# Altium PCB Master_v2.0打板.PcbDoc (part 2 of 2)
Units mil, origin at the board's own origin, x right, y up, seen from the top; angles counter-clockwise.
Board outline 3041.43 x 3041.44 mil, 2 copper layers (Top Layer, Bottom Layer); 101 components, 86 nets, 413 pads, 209 vias.
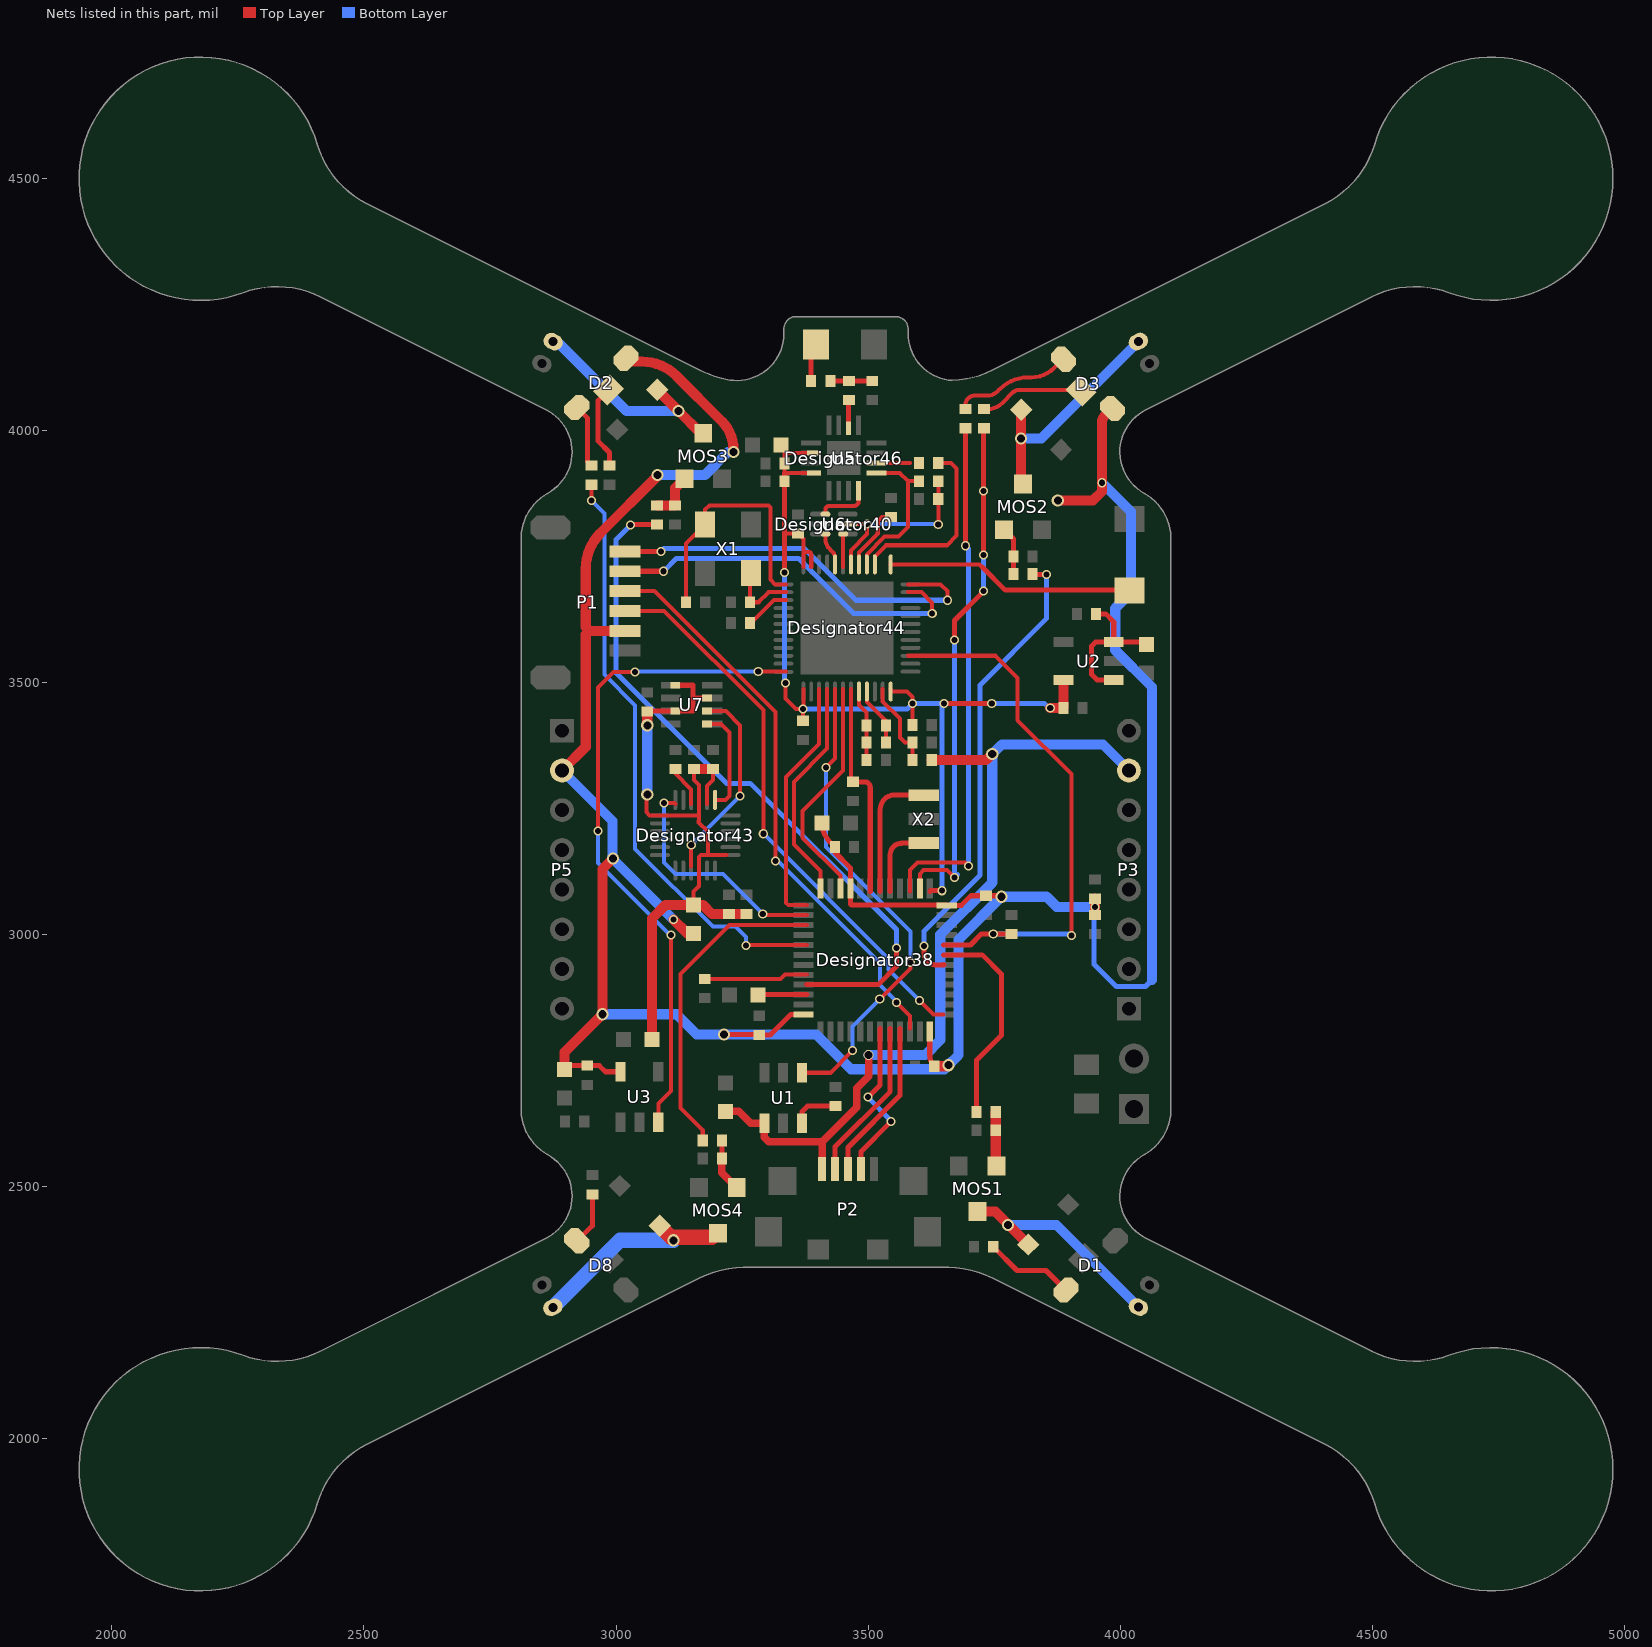
[diagram p2: the nets of this part, all layers, seen from the top]

## Via types
v1: diameter 18, hole 12, Top Layer to Bottom Layer, 152 vias
v2: diameter 24, hole 16, Top Layer to Bottom Layer, 56 vias
v3: diameter 20, hole 16, Top Layer to Bottom Layer, 1 vias

## Nets (pads, with @x,y where several pads share a name; then routed paths per layer and width w, separated by ;. In a path a pad name is that pad's centre, name@x,y a point inside that pad or via, vN(x,y) a via of type N, cw(c..) or ccw(c..) an arc to the next point about the centre after c; other vN are vias at no path point) (continued)
LED_G_R: Designator38.2 R19.2 | length 1041.9
  Top Layer w8: Designator38.2@3602.43,3091.65 3602.43,3120.43 3610,3128 3656,3128 v1(3671,3113) ; Designator38.2@3602.58,3085.83 Designator38.2@3602.58,3091.65 ; v1(3729,3681) v1@3729,3685 ; R19.2@3729,4003 R19.2@3730,4004
  Top Layer w10: v1(3671,3584) 3671,3623 v1(3729,3681) ; v1(3729,3753) v1(3729,3880) R19.2@3729,4003
  Bottom Layer w10: v1(3671,3584) v1(3671,3113) v1@3677,3119 ; v1@3728,3752 v1(3729,3753) v1(3729,3681)
LED_R_L: R16.2 | length 1188.3
  Top Layer w8: v1(2951,3861) R16.2@2951,3892 ; v1(3258,2978) 3259.53,2979.53 3378.17,2979.53
  Bottom Layer w8: v1(2951,3861) 2977,3835 2977,3515.5 3038,3454.5 3038,3170 3192,3016 3237,3016 3258,2995 v1(3258,2978)
LED_R_R: R18.2 | length 1040.6
  Top Layer w8: 3582.9,3085.83 3582.9,3127.9 3598,3143 3692,3143 v1(3699,3136)
  Top Layer w10: v1(3693,3771) R18.2@3693,4004
  Bottom Layer w10: v1@3691,3769 v1(3693,3771) 3699,3765 v1(3699,3136)
MOTOR1: R21.2 | length 424.1
  Top Layer w10: 3649.83,2959.84 3726.16,2959.84 3764,2922 3764,2800 3715,2751 R21.2@3715,2648
MOTOR2: R23.2 | length 932.5
  Top Layer w10: v1(3611,2977) 3611,2962 ccw(c3633,2962) 3633,2940 3649.67,2940 3649.83,2940.16 ; R23.2@3826,3715 3827,3714 v1(3854,3714)
  Bottom Layer w10: v1(3611,2977) 3611,3007 3722,3118 3722,3495 3854,3627 v1(3854,3714)
MOTOR3: R25.2 | length 1390.1
  Top Layer w10: v1(3029,3812) 3030,3813 R25.2@3081,3813 ; 3378.17,2900.79 3519.79,2900.79 3556,2937 v1(3556,2973)
  Bottom Layer w10: v1(3029,3812) 3000,3783 3000,3519 3219,3300 3266,3300 3556,3010 v1(3556,2973)
MOTOR4: R27.2 | length 638.5
  Top Layer w8: R27.2@3172,2592 3172,2612 3128,2656 3128,2922 3224.9,3018.9 3378.17,3018.9
MPU_INT:  | length 467.9
  Top Layer w8: v1(3095,3261) 3115.64,3261 3117.63,3259.01 ; v1(3291,3041) 3293.42,3038.58 3378.17,3038.58
  Bottom Layer w8: v1(3095,3261) 3095,3143 3118,3120 3212,3120 v1(3291,3041)
NetC10_1: C10.1 U5.10 | length 56.7
  Top Layer w10: U5.10@3461.31,4004 3461.31,4058.31 C10.1@3463,4060
NetC10_2: C10.2 L2.2 L3.1 | length 83
  Top Layer w10: L2.2@3425,4098 C10.2@3462,4098 L3.1@3508,4098
NetC11_1: C11.1 X1.1 | length 511.5
  Top Layer w8: C11.1@3139,3659 3139,3775.5 X1.1@3176.5,3813 3176.5,3842.5 3185,3851 3302,3851 3306,3847 3306,3704 3315.39,3694.61 3336.94,3694.61
NetC12_1: C12.1 X1.3 | length 138.1
  Top Layer w8: X1.3@3267.5,3717 3266,3715.5 C12.1@3266,3659 3283,3659 3302.33,3678.33 3302.33,3678.87 3336.94,3678.87
NetC16_1: C16.1 Designator40.5 Designator44.30 R8.2 U6.5 | length 370.6
  Top Layer w8: U6.5@3450.72,3814 Designator40.5@3459.56,3814 3494,3814 3498,3810 3498,3794 3465.87,3761.87 Designator44.30@3465.87,3733.98 Designator44.30@3465.87,3729.06 ; v1(3639,3813) C16.1@3639,3864 R8.2@3639,3899
  Bottom Layer w8: v1(3498,3814) 3638,3814 v1(3639,3813)
NetC17_1: C17.1 Designator44.29 | length 135.7
  Top Layer w8: Designator44.29@3481.62,3729.06 Designator44.29@3481.62,3733.98 3481.62,3757.82 3519,3795.2 3519,3820 3527,3828 C17.1@3545,3828
NetC18_1: C18.1 | length 89.6
  Top Layer w8: C18.1@3266,3618 3268,3618 3313.12,3663.12 3336.94,3663.12
NetC25_2: C25.2 | length 78.3
  Top Layer w8: C25.2@3117,3320 3149.13,3287.87 3149.13,3259.01 ; C25.2@3117,3324 C25.2@3117,3328
NetC27_2: C27.2 | length 97.2
  Top Layer w10: C27.2@3281.5,2879.94 3282.67,2881.1 3378.17,2881.1
NetD1_3: D1.3 R9.1 | length 180.2
  Top Layer w10: R9.1@3748,2381 3795,2334 3852.56,2334 D1.3@3892.28,2294.28
NetD2_1: D2.1 R16.1 | length 127.2
  Top Layer w10: D2.1@2922.28,4045.28 2943,4024.56 2943,3938 R16.1@2951,3930
NetD2_2: D2.2 R17.1 | length 168.1
  Top Layer w10: D2.2@2985.14,4079.86 2964,4058.72 2964,3979 2987,3956 R17.1@2987,3930
NetD3_1: D3.1 R18.1 | length 236.5
  Top Layer w8: R18.1@3693,4042 3693,4051.51 cw(c3708.66,4051.51) 3697.59,4062.59 cw(c3713.07,4047.1) 3713.07,4069 3736.69,4069 ccw(c3736.69,4096.31) 3755.99,4076.99 ; 3756.03,4077.03 cw(c3797.04,4035.96) 3761.74,4082.03 cw(c3817.19,4026.58) 3817.19,4105 3824,4105 ccw(c3824,4168.08) 3868.6,4123.48 D3.1@3887.56,4142.44
NetD3_2: D3.2 R19.1 | length 205.3
  Top Layer w8: R19.1@3730,4042 3737.03,4042 ccw(c3737.03,4082.97) 3766,4054 3786.58,4074.58 cw(c3799,4062.16) 3799,4079.73 3921.99,4079.73 D3.2@3922.14,4079.58
NetD4_1: D4.1 MOS1.3 P6.1 | length 453.7
  Top Layer w20: MOS1.3@3717,2450.79 3752.02,2450.79 D4.1@3817.4,2385.4
  Bottom Layer w20: v2(3777,2424) 3873.22,2424 P6.1@4035.83,2261.39
NetD5_1: D5.1 MOS2.3 P7.2 | length 460.8
  Top Layer w20: D5.1@3803.4,4040.6 v2(3803.4,3984) 3803.4,3896.81 MOS2.3@3807,3893.21
  Bottom Layer w20: v2(3803.4,3984) 3843.9,3984 P7.2@4035.83,4175.92
NetD6_1: D6.1 MOS3.3 P8.1 | length 414.3
  Top Layer w20: D6.1@3081.6,4080.6 v2@3120.6,4041.6 ; v2@3124.1,4038.1 3167.98,3994.21 MOS3.3@3173,3994.21
  Bottom Layer w20: P8.1@2887.34,4171.84 3021.19,4038 v2(3124,4038)
NetD7_1: D7.1 MOS4.3 P9.2 | length 407.2
  Top Layer w30: D7.1@3086.6,2422.4 3109.21,2399.79 MOS4.3@3190,2399.79
  Bottom Layer w30: P9.2@2874.79,2260.88 3007.69,2393.79 v2(3114.21,2393.79)
NetD8_3: D8.3 R20.2 | length 106
  Top Layer w10: D8.3@2922.28,2391.72 2953,2422.44 R20.2@2953,2485
NetL2_1: L2.1 Y1.1 | length 75.9
  Top Layer w10: L2.1@3387,4098 3387,4160.5 Y1.1@3396.5,4170
NetMOS1_1: MOS1.1 R21.1 R22.2 | length 107.4
  Top Layer w20: R21.1@3753,2648 R22.2@3753,2612 3753,2542.61 MOS1.1@3754.4,2541.21
NetMOS2_1: MOS2.1 R23.1 R24.2 | length 95.4
  Top Layer w10: MOS2.1@3769.6,3802.79 3788,3784.39 R24.2@3788,3750 R23.1@3788,3715
NetMOS3_1: MOS3.1 R25.1 R26.2 | length 96.5
  Top Layer w20: R25.1@3081,3851 R26.2@3117,3851 3117,3885.19 MOS3.1@3135.6,3903.79
NetMOS4_1: MOS4.1 R27.1 R28.2 | length 106
  Top Layer w10: R28.2@3210,2556 R27.1@3210,2592
  Top Layer w15: R28.2@3210,2556 3210,2527.61 MOS4.1@3239.4,2498.21
NetR3_2: R3.2 U1.6 | length 93.6
  Top Layer w10: U1.6@3369,2626 3369,2649 3380,2660 R3.2@3435,2660
NetR5_2: Designator44.27 R5.2 | length 373.2
  Top Layer w8: Designator44.27@3513.12,3729.06 Designator44.27@3513.12,3733.98 3513.12,3749.72 3535.4,3772 3656,3772 3675,3791 3675,3924 3664,3935 R5.2@3639,3935
NetR13_1: R13.1 | length 205.7
  Top Layer w8: R13.1@3176,2912 3326.53,2912 3335,2920.47 3378.17,2920.47
NetU4_31: U6.4 | length 64.7
  Top Layer w8: 3450.13,3729.06 U6.4@3450.13,3793.73
NetU4_32: Designator44.32 U6.3 | length 71.4
  Top Layer w8: U6.3@3415.28,3794.32 3415.28,3785.46 ccw(c3448.46,3785.46) 3419.61,3769.08 3429.69,3759 cw(c3418.36,3747.67) 3434.38,3747.67 Designator44.32@3434.38,3733.98 Designator44.32@3434.38,3729.06
NetU5_4: Designator46.4 U5.4 U6.1 | length 110.6
  Top Layer w8: U6.1@3415.28,3833.69 3415.28,3842 cw(c3423.28,3842) 3423.28,3850 3472,3850 ccw(c3472,3859) 3481,3859 U5.4@3481,3885.89
NetU7_3: U7.3 | length 397.3
  Top Layer w8: 3149.13,3134.99 v1(3149.13,3178) ; U7.3@3180.5,3443.2 3217.8,3443.2 3246,3415 v1(3246,3274.87)
  Bottom Layer w8: v1(3149.13,3178) v1(3246,3274.87)
NetU7_4: Designator43.7 U7.4 | length 209.3
  Top Layer w8: U7.4@3180.5,3417.61 3208.39,3417.61 3225,3401 3225,3275 3217.01,3267.01 Designator43.7@3196.37,3267.01
NetU9_5: X2.1 | length 152.4
  Top Layer w10: 3543.53,3085.83 3543.53,3158.53 cw(c3566,3158.53) 3566,3181 cw(c3566.76,3181) 3566.76,3181.76 X2.1@3610,3181.76
NetU9_6: X2.3 | length 265.2
  Top Layer w10: 3523.84,3085.83 3523.84,3247.84 cw(c3553,3247.84) 3553,3277 3609.24,3277 cw(c3609.24,3276.24) X2.3@3610,3276.24
NRF_FLOW_CTRL: Designator38.10 | length 465.4
  Top Layer w8: Designator38.10@3445.1,3085.83 3445.1,3116.9 3370,3192 3370,3245 3450.13,3325.13 3450.13,3486.94
NRF_RX: Designator38.12 | length 450.1
  Top Layer w8: Designator38.12@3405.57,3091.65 3405.57,3126.43 3353,3179 3353,3303 3418.63,3368.63 3418.63,3486.94 ; Designator38.12@3405.73,3085.83 Designator38.12@3405.73,3091.65
NRF_SWCLK: P1.6 | length 785.9
  Top Layer w8: 3579.06,3694.61 3643.61,3694.61 3657,3681.23 v1(3657,3663)
  Top Layer w10: P1.6@3018,3759.85 v1(3088.85,3759.85)
  Bottom Layer w10: v1(3088.85,3759.85) 3095,3766 3372.85,3766 3475.85,3663 v1(3657,3663)
NRF_SWIO: P1.5 | length 742.3
  Top Layer w8: 3579.06,3678.87 3606.13,3678.87 3627,3658 v1(3627,3637)
  Top Layer w10: P1.5@3018,3720.48 v1(3094.48,3720.48)
  Bottom Layer w10: v1(3094.48,3720.48) 3120,3746 3362,3746 3471,3637 v1(3627,3637)
NRF_TX:  | length 493.8
  Top Layer w8: 3378.17,3058.27 3342.02,3058.27 3337.5,3062.78 3337.5,3312.5 3402.88,3377.88 3402.88,3486.94
PA_RX_EN: Designator46.6 R5.1 U5.6 | length 79
  Top Layer w8: U5.6@3504.06,3935.16 3582.84,3935.16 ; R5.1@3600.84,3935.16 R5.1@3601,3935
PA_TX_DIS: Designator44.28 Designator46.5 R8.1 U5.5 | length 323.5
  Top Layer w8: Designator44.28@3497.37,3729.06 3497.37,3753.77 3532.6,3789 3560,3789 3579,3808 3579,3899 ; U5.5@3504.06,3915.47 U5.5@3516.43,3915.47 ; Designator46.5@3516.43,3915.42 3562.58,3915.42 3579,3899 ; R8.1@3601,3899 3579,3899
PM_CHG_STATE: U1.1 | length 960
  Top Layer w8: U1.1@3369,2726 3425,2726 v1(3469,2770) ; v1(3416,3331) 3434.38,3349.38 3434.38,3486.94 ; v1(3523,2872) 3584,2933 v1(3584,2945)
  Bottom Layer w8: v1(3416,3331) 3416,3174 3584,3006 v1(3584,2945) ; v1(3469,2770) 3469,2818 v1(3523,2872)
STM_BOOT0: R12.1 | length 1092.6
  Top Layer w8: 3579.06,3552.88 3752.12,3552.88 3796,3509 3796,3425 3903,3318 v1(3903,2998)
  Top Layer w10: 3649.83,2979.53 3703,2979.53 3724.47,3001 v1(3748,3001) R12.1@3784,3001 R12.1@3782,2999
  Bottom Layer w10: v1(3748,3001) 3900,3001 v1(3903,2998)
STM_NRST: C26.2 | length 431.6
  Top Layer w8: 3465.87,3486.94 3465.87,3309.16 C26.2@3471.03,3304
  Top Layer w10: C26.2@3470.03,3303 3493,3303 cw(c3493,3291.84) 3504.16,3291.84 3504.16,3085.83
STM_SWCLK: P1.3 | length 1119.1
  Top Layer w8: P1.3@3018,3641.74 3095.38,3641.74 3292,3445.12 v1(3292,3200) ; v1(3602,2869) 3629.27,2841.73 3649.83,2841.73
  Bottom Layer w8: v1(3292,3200) 3540,2952 3540,2931 v1(3602,2869)
STM_SWIO: P1.4 | length 1136.3
  Top Layer w8: P1.4@3018,3681.11 3075.81,3681.11 3316,3440.92 v1(3316,3146) ; v1(3556,2865) 3582.9,2838.1 3582.9,2814.17
  Bottom Layer w8: v1@3318.5,3148.5 3523,2944 3523,2900 3556,2867 v1(3556,2865)
SWITCH: Designator44.25 SW1.1 | length 494.9
  Top Layer w8: Designator44.25@3544.61,3733.98 3721.02,3733.98 3725.94,3729.06
  Top Layer w10: 3725.94,3729.06 3772,3683 4017.13,3683 SW1.1@4018,3682.13
USB_CONNECTED: R2.1 R4.2 | length 174.2
  Top Layer w8: 3528.87,3486.94 3528.87,3462.13 3563,3428 3563,3391 3573,3381 R4.2@3588,3381 R2.1@3588,3346
USB_DM: P2.2 | length 324.4
  Top Layer w10: P2.2@3434.41,2535 3434.41,2579.41 3543.53,2688.53 3543.53,2814.17
USB_DP: P2.3 | length 321.9
  Top Layer w10: P2.3@3460,2535 3460,2578 3563.21,2681.21 3563.21,2814.17
USB_ID: P2.4 | length 332.3
  Top Layer w10: P2.4@3485.59,2535 3485.59,2569.59 v1(3545,2629) ; v1(3500,2678) 3523.84,2701.84 3523.84,2814.17
  Bottom Layer w10: v1(3500,2678) 3500,2676.18 3545,2631.18 v1(3545,2629)
VBAT: C9.2 Designator44.8 R6.1 R7.2 | length 147.3
  Top Layer w8: Designator44.8@3481.62,3486.94 3481.62,3455.38 3497,3440 C9.2@3497,3415 R7.2@3497,3381 R6.1@3497,3346
VBAT_SINK: C9.1 Designator44.9 R7.1 | length 121.5
  Top Layer w8: Designator44.9@3497.37,3486.94 3497.37,3461.63 3535,3424 C9.1@3535,3415 R7.1@3535,3381
VCC: C6.2 C7.2 C28.2 C29.2 C30.2 C31.2 C32.2 D2.3 D3.3 Designator38.9 Designator38.24 Designator38.36 Designator38.48 L1.2 P1.2 P5.2 R14.2 R15.2 U3.5 | length 5902.9
  Top Layer w10: C7.2@2898.06,2732.5 2905.6,2740.03 C6.2@2943,2740.03 2966.97,2740.03 2979,2728 U3.5@3009,2728 ; v2(3214,2802) 3283,2802 C31.2@3284,2801 3306,2801 3346.73,2841.73 Designator38.24@3378.17,2841.73 ; C32.2@3408.5,3221.06 ccw(c3460.48,3221.06) 3423.73,3184.31 C28.2@3434.03,3174 ; C28.2@3436.17,3168.83 cw(c3441.35,3174) C28.2@3434.03,3174 ; Designator38.9@3464.63,3091.65 3464.63,3132.37 3434.03,3162.97 C28.2@3434.03,3174 ; Designator38.9@3464.79,3085.83 3464.79,3060.21 3466.73,3058.27 Designator38.48@3655.67,3058.27 ; Designator38.36@3622.11,2808 3622.11,2760.46 ccw(c3652.46,2760.46) C30.2@3631,2739 ; Designator38.36@3622.27,2814.17 Designator38.36@3622.44,2814 ; Designator38.48@3655.67,3058.09 3684.65,3058.09 3703.56,3077 C29.2@3734,3077 3762,3077 v2(3764,3075)
  Top Layer w20: P5.2@2893,3325.44 2940,3372.44 2940,3595 ; C7.2@2898.06,2732.5 2898.06,2767.06 v2(2973,2842) 2973,3130 v2(2994,3151) ; P1.2@3018,3602.37 2947.37,3602.37 2940,3609.74 2940,3725.58 cw(c3040,3725.58) 2969.29,3796.29 v2@3083,3910 ; D2.3@3019.72,4142.72 3026.29,4136.15 3051.78,4136.15 cw(c3051.78,4040.15) 3119.66,4108.03 3209.34,4018.34 ; v1(3113.72,3030) 3141.22,3002.5 L1.2@3153.94,3002.5 ; 3209.38,4018.31 cw(c3152.24,3961.24) 3233,3961.24 v2(3233,3957) ; C30.2@3631,2739 3654.17,2739 ccw(c3654.17,2745.83) v2(3659,2741) ; v2(3876,3861) 3946,3861 3963.72,3878.72 v1(3963.72,3896) 3963.72,4015.28 cw(c3984.08,4015.28) 3969.68,4029.68 D3.3@3985,4045 ; R14.2@3950,3039 v1(3950,3055) R15.2@3950,3071
  Bottom Layer w10: v1(3950,3055) 3948,3053 3948,2941 3992,2897 4050,2897 4063,2910
  Bottom Layer w20: P5.2@2893,3325.44 2993,3225.44 2993,3150.72 v2@2994,3149.72 ; v2(2973,2842) 3120,2842 3160,2802 v2(3214,2802) 3397,2802 3466,2733 3651,2733 v2(3659,2741) 3679,2761 3679,2990 v2(3764,3075) 3854,3075 3874,3055 v1(3950,3055) ; v2(2994,3151) v2@2994,3149.72 ; v2(3082,3911) 3176,3911 3222,3957 v2(3233,3957) ; v1(3113.72,3030) v2@2994,3149.72 ; v1(3963.72,3896) 4021,3838.72 4021,3678 3990,3647 3990,3564 4063,3491 4063,2910
VCCA: C8.2 C22.2 C23.2 C24.2 L1.1 R10.2 R11.2 U7.2 U7.6 U7.8 | length 1404.8
  Top Layer w8: v2@3060,3276 3060,3243 3066.63,3236.37 3162.24,3236.37 3164.87,3239 ; U7.8@3117.5,3494.39 U7.8@3126.61,3494.39 ; L1.1@3154,3059 3154,3085 3164.87,3095.87 3164.87,3153.87 3168.63,3157.63 3182,3157.63 ; C23.2@3155,3328 3155,3306.12 3164.87,3296.25 3164.87,3239 ; 3180.62,3259.01 3180.62,3294.74 3192,3306.12 C24.2@3192,3328 ; 3219.01,3157.63 3182,3157.63 ; 3164.87,3239 3164.87,3225.87 3164,3225 3164,3222 3182,3204 3182,3157.63
  Top Layer w10: C22.2@3062,3442 3063.2,3443.2 U7.6@3117.5,3443.2 3152.2,3443.2 3152.2,3468.8 ; U7.8@3126.61,3494.39 3152.2,3494.39 3152.2,3468.8 ; U7.2@3180.5,3468.8 3152.2,3468.8
  Top Layer w20: v2(3062,3415) C22.2@3062,3442 ; C8.2@3071.5,2791.94 3071.5,3032 3098.5,3059 L1.1@3154,3059 3172,3059 3190,3041 R11.2@3224,3041 R10.2@3259,3041 ; C23.2@3155,3328 C24.2@3192,3328
  Bottom Layer w20: v2(3062,3278) v2(3062,3415)
VCCNRF: C3.2 C13.1 C14.1 C15.1 C19.1 C20.1 C21.1 Designator44.12 U2.5 U5.14 U5.16 | length 1934.7
  Top Layer w8: C13.1@3327,3971 3334.03,3963.97 3334.03,3954 ; 3334.03,3793 3336.03,3795 C19.1@3361,3795 3371.39,3784.61 3371.39,3752 ; 3334.03,3915 3334.03,3915.42 ; v1(3336,3499) 3336,3468 3357,3447 v1(3371,3447) ; C20.1@3371,3424 v1(3371,3447) ; 3371.39,3486.94 3371.39,3447.39 v1(3371,3447) ; 3371.39,3729.06 3371.39,3752 ; 3387.13,3729.06 3387.13,3752.87 ccw(c3381,3752.87) 3381,3759 3378.39,3759 ccw(c3378.39,3752) 3371.39,3752 ; U5.16@3392.42,3915.42 3367.47,3915.42 ; U5.14@3392.42,3954.79 U5.14@3392.42,3954.79 3334.87,3954.84 3334.03,3954 ; Designator44.12@3544.61,3482.02 3577.45,3482.02 3588,3471.46 v1(3588,3458) 3588,3428 ; 3334.03,3915.42 C14.1@3334.03,3934 3334.03,3954 ; 3334.03,3915.42 3367.42,3915.42 ; 3367.42,3915.42 3367.47,3915.42 ; 3367.42,3915.42 3367.47,3915.47 3367.47,3915.42
  Top Layer w10: v1(3334,3718) 3334.03,3793 C15.1@3334.03,3899 3334.03,3915 ; 3622.27,3085.83 3623.44,3087 v1(3646,3087) ; v1(3650,3458) v1(3745,3458)
  Top Layer w20: v1(3861,3449) C3.2@3887,3449 U2.5@3887,3505
  Bottom Layer w10: v1(3334,3718) 3334,3501 v1(3336,3499) ; v1(3371,3447) 3577,3447 v1(3588,3458) v1(3650,3458) ; v1@3646,3091 v1@3646,3454 ; v1(3745,3458) 3850,3458 3859,3449 v1(3861,3449)
VEN_D: U3.3 | length 1319.6
  Top Layer w8: v1(2964,3205) 2964,3490 2995,3521 v1(3038,3521) ; U3.3@3083.8,2628 3083.8,2664.8 3109,2690 v1(3109,2999) ; v1(3282,3521.39) 3336.94,3521.39
  Bottom Layer w8: v1(2964,3205) 2964,3142 3107,2999 v1(3109,2999) ; v1(3038,3521) 3038.39,3521.39 v1(3282,3521.39)
VFILT: C2.2 R1.1 U2.1 U2.3 | length 300.5
  Top Layer w10: R1.1@3952,3636 3971,3636 3987,3620 U2.3@3987,3579.8 ; U2.1@3987,3505 3954,3505 3943,3516 3943,3572 3950.8,3579.8 U2.3@3987,3579.8 ; C2.2@4052.06,3575.5 4047.76,3579.8 U2.3@3987,3579.8
VUSB: C4.2 P2.1 P3.7 R2.2 U1.4 | length 1695
  Top Layer w15: C4.2@3216.94,2649.5 3243.5,2649.5 3267,2626 U1.4@3294.2,2626 3294.2,2597.8 3303.18,2588.82 3408.82,2588.82 ; P2.1@3408.82,2535 3408.82,2588.82 ; v3(3501,2761) 3501,2719 3477.5,2695.5 3477.5,2657.5 3408.82,2588.82
  Top Layer w20: R2.2@3626,3346 3734,3346 v2(3746,3358)
  Bottom Layer w10: P3.7@4017,3325.44 P3.7@4025,3325.44
  Bottom Layer w20: v3(3501,2761) 3613,2761 3643,2791 3643,3000 3746,3103 v2(3746,3358) 3765,3377 3965.44,3377 P3.7@4017,3325.44
pads on no net: D1.2 D8.2 Designator38.1 Designator38.3 Designator38.4 Designator38.5 Designator38.6 Designator38.7 Designator38.8 Designator38.11 Designator38.13 Designator38.14 Designator38.15 Designator38.16 Designator38.17 Designator38.18 Designator38.19 Designator38.20 Designator38.21 Designator38.22 Designator38.23 Designator38.27 Designator38.28 Designator38.29 Designator38.30 Designator38.31 Designator38.32 Designator38.33 Designator38.34 Designator38.37 Designator38.38 Designator38.39 Designator38.40 Designator38.41 Designator38.42 Designator38.43 Designator38.44 Designator38.45 Designator38.46 Designator40.1 Designator40.3 Designator40.4 Designator40.6 Designator43.1 Designator43.2 Designator43.3 Designator43.4 Designator43.5 Designator43.6 Designator43.8 Designator43.9 Designator43.10 Designator43.12 Designator43.13 Designator43.14 Designator43.15 Designator43.16 Designator43.17 Designator43.19 Designator43.21 Designator43.22 Designator43.23 Designator44.1 Designator44.2 Designator44.3 Designator44.4 Designator44.5 Designator44.6 Designator44.7 Designator44.10 Designator44.11 Designator44.14 Designator44.15 Designator44.16 Designator44.17 Designator44.18 Designator44.19 Designator44.20 Designator44.21 Designator44.22 Designator44.23 Designator44.24 Designator44.26 Designator44.31 Designator44.35 Designator44.36 Designator44.37 Designator44.38 Designator44.39 Designator44.40 Designator44.41 Designator44.42 Designator44.43 Designator44.44 Designator44.45 Designator44.46 Designator44.47 Designator44.48 Designator45.2 Designator45.3 Designator45.4 Designator45.6 Designator45.8 Designator46.10 Designator46.13 Designator46.14 Designator46.16 P1.A P1.B P2.0 U1.5 U2.4 U3.4 U5.13 Y1.2
copper on no net: | length 26.7
  Top Layer w8: 3425.26,2781.26 3425.26,2808

## Polygon pours and split planes (outlines as drawn)
GND on Top Layer "Bottom Layer-No Net" (solid, remove dead copper, pour order 20): 3363,4035 3536,4035 3536,3860.34 3535.66,3860 3369,3860 3365.03,3860 3363.03,3858
VCCA on Top Layer "Bottom Layer-No Net" (solid, pour order 6): 3143.11,3338.59 3203.11,3338.59 3203.11,3310.59 3187.11,3294.59 3143.11,3294.59
VCCA on Top Layer "Bottom Layer-No Net" (solid, remove dead copper, pour order 8): 3117.63,3231 3119,3240 3195,3240 3195,3155 3117.63,3155
GND on Top Layer "Bottom Layer-No Net" (hatched 45Degree grid 10 track 10, remove dead copper, pour order 18): 1793,4895 5122,4895 5126,4899 5130,4895 5130,1622 1797,1622 1793,1626
GND on Bottom Layer "Bottom Layer-No Net" (hatched 90Degree grid 5 track 5, remove dead copper, pour order 16): 1825,4870 5154,4870 5158,4874 5162,4870 5162,1597 1829,1597 1825,1601

## Keep-outs
Keep-Out Layer:
  circle w5: c2176.45,4498.81 r2.5
  circle w5: c4735.51,1939.76 r2.5
  circle w5: c2176.45,4498.81 r2.5
  circle w5: c2203.5,5 r2.5
  lines w10: 2266.75,2045.77 cw(c2297.13,2009.58) 2314.46,1965.63 ; 2266.75,4393.23 ccw(c2297.13,4429.42) 2314.46,4473.37 ; 2267.37,2046.49 ccw(c2176.75,1940.09) 2314.17,1965.58 ; 2267.37,4392.51 cw(c2176.75,4498.91) 2314.17,4473.42 ; 2396.76,4278.51 2863.46,4044.96 cw(c2819.41,3956.94) 2867.27,3870.94 ccw(c2915.13,3784.93) 2816.74,3782.23 ; 2415.71,4269.02 ccw(c2327.62,4092.98) 2258.91,4277.45 cw(c2176.45,4498.81) 2403.06,4565.51 ccw(c2591.9,4621.1) 2503.81,4445.06 3164.58,4114.4 ccw(c3252.68,4290.44) 3208.2,4098.68 ccw(c3239.44,4192.01) 3337.87,4192.01 3337.87,4200.89 cw(c3357.55,4200.89) 3357.55,4220.58 3554.42,4220.58 cw(c3554.42,4200.89) 3574.1,4200.86 3574.09,4192.01 ccw(c3672.51,4192.01) 3672.51,4093.59 ; 2816.71,3744.42 2816.71,3784.93 ; 2816.74,2650.93 2816.74,3787.64 ; 2816.74,2656.34 ccw(c2915.13,2653.64) 2867.27,2567.63 cw(c2819.41,2481.62) 2863.46,2393.61 2415.71,2169.55 cw(c2327.62,2345.59) 2258.91,2161.12 ccw(c2176.45,1939.76) 2403.06,1873.05 cw(c2591.9,1817.47) 2503.81,1993.51 3164.58,2324.17 cw(c3252.68,2148.13) 3252.68,2344.98 3659.28,2344.98 cw(c3659.28,2148.13) 3747.37,2324.17 4408.15,1993.51 cw(c4320.06,1817.47) 4508.9,1873.05 ccw(c4735.51,1939.76) 4653.05,2161.12 cw(c4584.34,2345.59) 4496.24,2169.55 ; 3667.03,4093.74 ccw(c3659.28,4290.44) 3747.37,4114.4 4408.15,4445.06 ; 4095.21,2650.93 4095.21,3787.64 ; 4095.21,2656.34 cw(c3996.82,2653.64) 4044.68,2567.63 ccw(c4092.55,2481.62) 4048.5,2393.61 4515.2,2160.06 ; 4095.21,3782.23 ccw(c3996.82,3784.93) 4044.68,3870.94 cw(c4092.55,3956.94) 4048.5,4044.96 4515.2,4278.51 ; 4595.09,1954.2 ccw(c4734.22,1941) 4634.53,2038.95 ; 4596.04,1954.11 cw(c4608.26,1999.75) 4634.32,2039.16 ; 4597.09,4485.8 cw(c4736.22,4499) 4636.53,4401.05 ; 4598.04,4485.89 ccw(c4610.26,4440.25) 4636.32,4400.84 ; 4408.15,4445.06 ccw(c4320.06,4621.1) 4508.9,4565.51 ; 4408.15,4445.06 ccw(c4320.06,4621.1) 4508.9,4565.51 ; 4508.9,4565.51 cw(c4735.51,4498.81) 4653.05,4277.45 ; 4653.05,4277.45 ccw(c4584.34,4092.98) 4496.24,4269.02 cw(c4584.34,4092.98) 4653.05,4277.45

## Other copper
Top Layer:
  rectangle net GND: 3023,3308 3091,3376
  rectangle net GND: 2980,3472 3073,3492
  rectangle net GND: 2980,3181 3023,3472
  rectangle net GND: 3039,2480 3148,2593
  rectangle net GND: 3148,2515 3162,2546
  rectangle net GND: 3166.95,3607 3238,3673.44
  rectangle net GND: 3255,3893 3289,3989
  rectangle net GND: 3196,3887.31 3286.15,3922
  rectangle net GND: 3904,2722 4075,2873
  region net GND: 4065,2874 4055.81,2883.19 4040.31,2867.69 4049.5,2858.5
  pour cut-out: 4013,2404 3875,2266 3873,2266 3873,2264 3905,2232 4051,2378 4051,2383
  pour cut-out: 3001,2242 2863,2380 2861,2380 2861,2382 2903.5,2424.5 3039,2289 3039,2263
  pour cut-out: 3253.82,4274 3310.14,4274 3678.18,4274 3678.18,4072 3253.82,4072
  pour cut-out: 4013,4025 3875,4163 3873,4163 3873,4165 3905,4197 4051,4051 4051,4046
  region net VCCA: 3119,3229 3119,3233 3115,3233
  region net VCCA: 3173,3201.5 3178,3201.5 3178,3196.5
  region net VCCA: 3119,3240 3186,3240 3186,3201 3119,3201
  region net VCCNRF: 3312,3986 3312,3957 3323,3957 3324,3956 3324,3885 3343,3885 3344,3885 3344,3985 3345,3986
  pour cut-out: 3400.17,2867.1 3400.17,2855.73 3399.91,2856 3392,2856 3392,2867
  pour cut-out: 3183,2572 3182,2571 3182,2543 3191.34,2543 3192,2543.66 3192,2570.19 3190,2572.19
  pour cut-out: 3182,2567.19 3182,2571 3178.68,2571 3177.49,2572.19 3154,2572.19 3154,2567
  region net +BATT: 3304,2746 3304,2707 3273,2707 3254,2726 3254,2746
  region net GND: 2980,3181 2990,3171 3022,3171 3042,3151 3062,3151 3062,3157 3028,3191 2980,3191
  region net GND: 3039,2480 3063,2456 3198,2456 3174,2480
  region net GND: 3166.47,3607 3218.47,3555 3237.53,3555 3237.53,3607
  pour cut-out: 2893,4035 4039,4035 4039,4167.48 2893,4167.48
Bottom Layer:
  pour cut-out: 2941.59,3505 2864.86,3505 2864.86,3540 2939.5,3540
  pour cut-out: 3929,3896 ccw(c3931.41,3898.41) 3931.41,3895 3948.17,3895 cw(c3948.17,3888.17) 3953,3893 3953,3885 3929,3885
  pour cut-out: 3890,4013.81 3890,3996.52 3893.56,4000.08 ccw(c3887.68,4005.96)
  pour cut-out: 2908.95,3274.32 2913.22,3278.6 2913.89,3278.6 2918.16,3274.32 2915.55,3271.71 2915.55,3269.26
  pour cut-out: 2920.62,3026.43 2920.62,3029.62 2926,3035 2922.19,3038.81 2922.19,3039.67 2915.55,3033.04
  pour cut-out: 2908.95,2959.36 2915.58,2966 2918.74,2966 2925.37,2959.36 2920.3,2954.3 2915.55,2954.3
  pour cut-out: 2911.02,2880.02 2917,2886 2919.19,2883.81 2922.19,2883.81 2922.19,2882.19 2913.57,2873.57
  pour cut-out: 3929.63,2917.99 3930,2917.62 3930,2908 3925,2908 3923,2910 3923,2916.67
  pour cut-out: 3272.64,2745.67 3272.64,2760.64 3273,2761 3279,2761 3279,2743 3280,2742
  pour cut-out: 3253.8,4236 3310.12,4236 3668.2,4236 3668.2,4040.48 3253.8,4040.48
  pour cut-out: 3810,2860 3810,2847 3805,2847 3804,2846 3802,2848 3802,2857
  pour cut-out: 2895,4027 3033,4165 3035,4165 3035,4167 3003,4199 2857,4053 2857,4048
  pour cut-out: 4012,4026 3874,4164 3872,4164 3872,4166 3904,4198 4050,4052 4050,4047
  pour cut-out: 3001,2242 2863,2380 2861,2380 2861,2382 2893,2414 3039,2268 3039,2263
  pour cut-out: 4013,2404 3875,2266 3873,2266 3873,2264 3905,2232 4051,2378 4051,2383
  pour cut-out: 4043.63,4040 ccw(c4022.01,4044) 4044,4044 ccw(c4009,4044) 4009,4079 2923,4079 ccw(c2923,4056) 2900,4056 2900,4040

## Silkscreen, mask and mechanical layers (free items; w line width, h text height)
Top Overlay:
  circle w8: c3042,3248 r17.46
  lines w8: 2973,3234 2959,3248 2958,3248 ; 2973,3263 2958,3248 ; 3027,3177 3042,3162 ; 3058,3178 3042,3162 ; 2958,3248 3042,3248 3042,3162
  lines w10: 2314.53,2133.71 cw(c2171.95,1942.19) 2410.72,1942.19 2410.72,1942.28 ; 2321.53,4307.29 ccw(c2178.95,4498.81) 2417.72,4498.81 2417.72,4498.72 ; 2398,2065 2397,2021 ; 2405,4376 2404,4420 ; 4499.24,1939.85 4499.24,1939.76 cw(c4738.01,1939.76) 4595.43,2131.28 ; 4500.23,4500.91 4500.23,4501 ccw(c4739,4501) 4596.42,4309.48 ; 4511.96,2062.57 4512.96,2018.57 ; 4512.95,4378.19 4513.95,4422.19 ; 2397,2021 2363,2043 2397,2021 ; 2404,4420 2370,4398 2404,4420 ; 4512.96,2018.57 4546.96,2040.57 4512.96,2018.57 ; 4513.95,4422.19 4547.95,4400.19 4513.95,4422.19
  lines w20: 3730,3535 3777,3582 3777,3584 3777,3360 ; 3780,3581 3827,3534
  text "M4" at 2737,4169 h60
  text "M1" at 4094,4161 h60
  text "ON/OFF" at 3937,3682 h30 r90
  text "Z" at 3026,3281 h40
  text "X" at 2971,3181 h40
  text "Y" at 3029,3110 h40
  text "M3" at 2728,2218 h60
  text "M2" at 4105,2206 h60
Bottom Overlay:
  text "Sky Master" at 3770,3707 h150
  text "V2.0" at 3154,3646 h60
  text "GND" at 3061.72,3381 h40
  text "BAT" at 3946,3381 h40
  text "VCC_3.0" at 3215,3308.81 h40
  text "VBUS" at 3946,3302.14 h40
  text "CS1/PB0" at 3215,3223.29 h40
  text "RX1/PB3" at 3946,3223.29 h40
  text "CS2/PB1" at 3208.34,3144.43 h40
  text "TX1/PA15" at 3946,3144.43 h40
  text "CS3/PA8" at 3221.66,3065.57 h40
  text "SCL/PB5" at 3946,3065.57 h40
  text "MOSI/PB15" at 3288.31,2986.71 h40
  text "SDA/PB4" at 3946,2986.71 h40
  text "MISO/PB14" at 3288.31,2907.86 h40
  text "CS0/PC15" at 3946,2907.86 h40
  text "SCK/PB13" at 3254.99,2829 h40
  text "GND" at 3946,2829 h40
  text "2017-12-12" at 3540,2385 h40